# Altium PCB LoggerBoard.PcbDoc (continued)
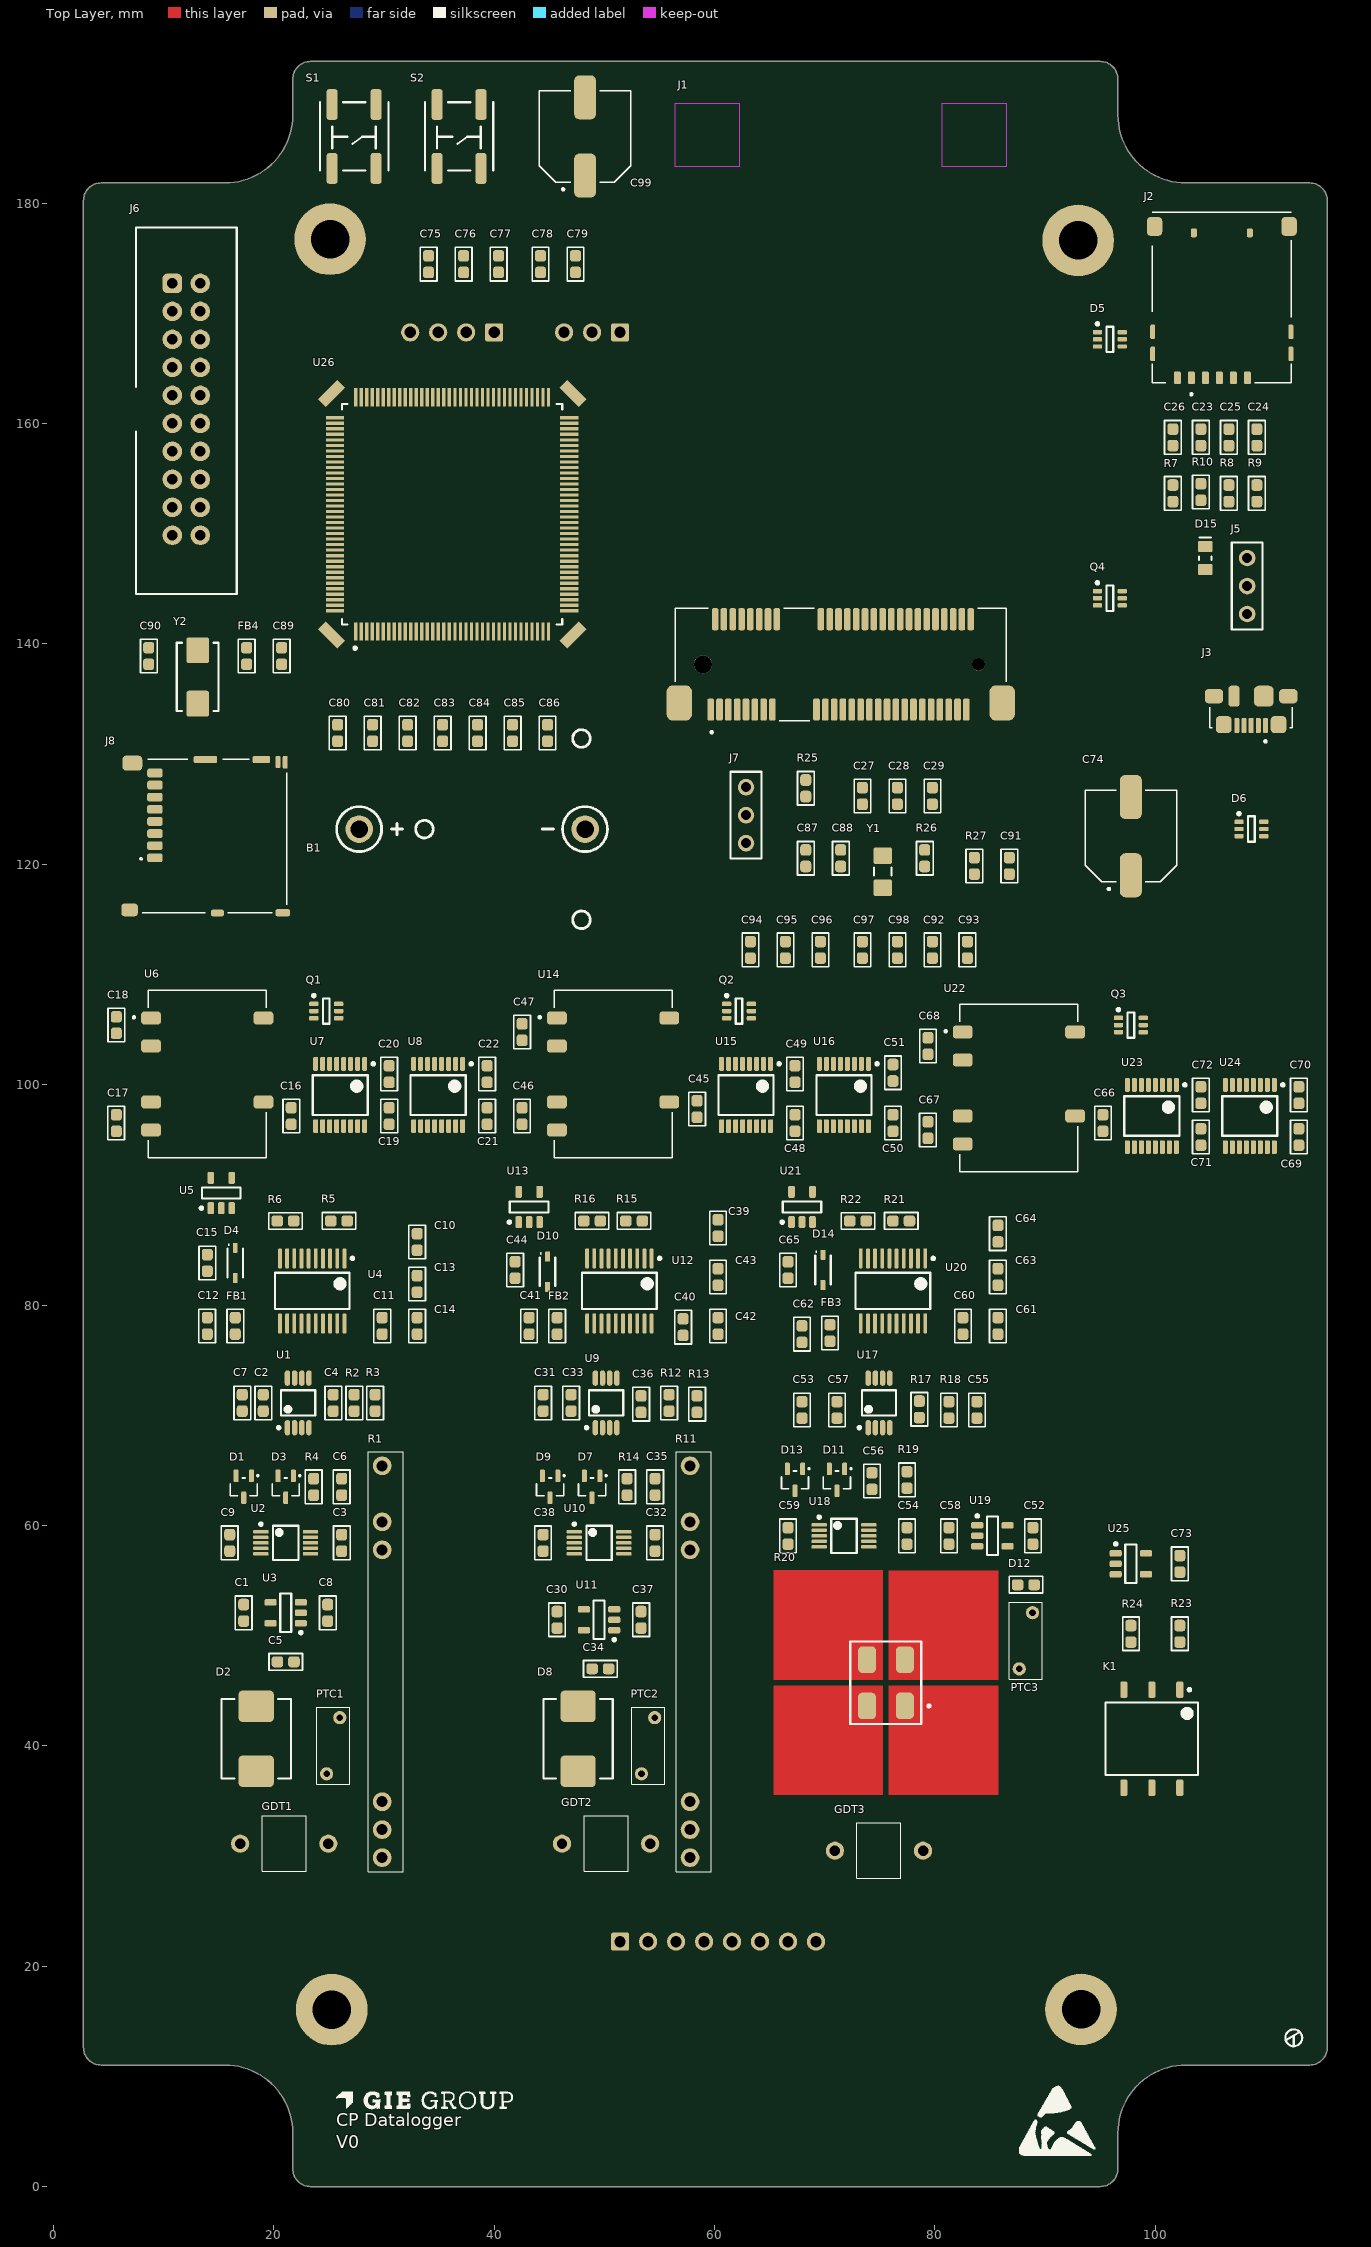
[diagram p0: Top Layer view]
## Components (designator, comment, footprint, x,y, rotation, side; value= is the part's Value field where it differs from the comment) (continued)
U8 "ISO7762FDBQ" SSOP16 34.925,99.06 r270 top
U9 "ADA4051-2ARMZ" MSOP8 50.165,71.12 r90 top
U10 "AD8253ARMZ" MSOP10 49.53,58.42 r0 top
U11 "AD8638ARJZ" SOT23-5 49.53,51.435 r180 top
U12 "ADS1259BIPW" TSSOP20 51.372,81.28 r270 top
U13 "NCP716BCSN500T1G" SOT23-5 43.18,88.9 r90 top
U14 "R1D-3.309/P" RECOM-R1D 50.8,100.965 r0 top
U15 "ISO7762FDBQ" SSOP16 62.865,99.06 r270 top
U16 "ISO7762FDBQ" SSOP16 71.755,99.06 r270 top
U17 "ADA4051-2ARMZ" MSOP8 74.93,71.12 r90 top
U18 "AD8253ARMZ" MSOP10 71.755,59.055 r0 top
U19 "AD8638ARJZ" SOT23-5 85.225,59.055 r0 top
U20 "ADS1259BIPW" TSSOP20 76.2,81.28 r270 top
U21 "NCP716BCSN500T1G" SOT23-5 67.945,88.9 r90 top
U22 "R1D-3.309/P" RECOM-R1D 87.63,99.695 r0 top
U23 "ISO7762FDBQ" SSOP16 99.695,97.155 r270 top
U24 "ISO7762FDBQ" SSOP16 108.585,97.155 r270 top
U25 "NC7SZ125M5X" SOT23-5 97.79,56.515 r0 top
U26 "STM32F429ZIT6" LQFP144 36.195,151.765 r0 top
Y1 "ABS07-32.768KHZ-7-T" XTAL-ABS07 75.27,119.281 r90 top value=32.768KHz
Y2 "ABM7-16.000MHZ-D-2-Y-T" XTAL-ABM7 13.1,137 r90 top value="8.000 MHz"

## Footprints (in the part's own frame and the unit in brackets; to place one, negate y for a bottom-side part, rotate by r counter-clockwise, add the part's x,y. Pads: shape width x height; smd on the part's side, far side on the other; paste and mask are expansions set on the pad)
"0805 - LED" [mm] "Chip Led 2-Leads, Body 2.0x1.3mm, IPC Medium Density"
  rrect25% 1x1.35 smd: 1(-1.05,0) 2(1.05,0)
  silkscreen extent -0.15,-0.58 1.85,0.58, body extent -1.01,-0.62 1.01,0.62, height 1.1
"CADDOCK - HVD5-B20M-050-05" [mm]
  round 1.7 hole 1: 1(-5.08,0) 2(-2.54,0) 3(0,0) 4(22.86,0) 5(25.4,0) 6(30.48,0)
  silkscreen extent -6.35,-1.91 31.75,1.27, body extent -6.25,-1.94 31.85,0.25, height 16.51
CAP-0603 [mm] "Chip Capacitor 0603"
  rrect50% 1.05x1 smd: 1(-0.75,0) 2(0.75,0)
  silkscreen extent -1.52,-0.76 1.52,0.75, body extent -0.88,-0.48 0.87,0.47, height 0.6
CAP_ALUM_SIZE_F [mm]
  rrect50% 4x2 smd: 1(-3.55,0) 2(3.55,0)
  silkscreen extent -4.9,-4.15 4.15,4.15, body extent -4.85,-4.15 4.85,4.15, height 10.2
DIODE-0603 [mm] "Chip Diode 0603"
  rrect50% 1.05x1 smd: 1(-0.75,0) 2(0.75,0)
  silkscreen extent -1.52,-0.76 1.52,0.75, body extent -1.23,-0.45 1.23,0.45, height 0.61
Holder-CR2032-103 [mm] "Battery Holder CR2032"
  round 2.5 hole 1.6: 1(15.42,0) 2(-5.08,0)
  silkscreen extent -7.11,-9.03 17.47,9.03, body extent -10.26,-11.43 17.38,11.57, height 8.8
IND-0603 [mm] "Chip Inductor 0603"
  rrect50% 1.05x1 smd: 1(-0.75,0) 2(0.75,0)
  silkscreen extent -1.52,-0.76 1.52,0.75, body extent -0.88,-0.48 0.87,0.47, height 0.6
KSC_J [mm]
  rrect50% 2.8x1 smd: 1(-2.9,2) 2(-2.9,-1.988) 3(2.9,-1.988) 4(2.9,2)
  silkscreen extent -3.1,-3.1 3.1,3.1, body extent -3.4,-3.15 3.4,3.15, height 3.21
LITTLELFUSE-72R020X [mm]
  round 1.2 hole 0.6: 1(-2.55,0.6) 2(2.55,-0.6)
  silkscreen extent -3.5,-1.5 3.5,1.5, body extent -3.95,-1.25 3.95,1.25, height 11.87
LITTLELFUSE-CG5XXXLTR [mm]
  round 1.651 hole 0.95: 1(-4,0) 2(4,0)
  silkscreen extent -2,-2.54 2,2.5, body extent -4.4,-2.54 4.4,2.46, height 5.5
LQFP144 [mm] "32-bit MCU ARM-based Cortex-M3 20 X 20mm, 0.5mm Pitch, 1.6mm Max thickness"
  rect 1x2.5 smd rot 45: 0(-10.96,-10.96) 0(10.96,10.96)
  rect 1x2.5 smd rot 135: 0(-10.96,10.96) 0(10.96,-10.96)
  rect 0.3x1.65 smd: 1(-8.75,-10.625) 2(-8.25,-10.625) 3(-7.75,-10.625) 4(-7.25,-10.625) 5(-6.75,-10.625) 6(-6.25,-10.625) 7(-5.75,-10.625) 8(-5.25,-10.625) 9(-4.75,-10.625) 10(-4.25,-10.625) 11(-3.75,-10.625) 12(-3.25,-10.625) 13(-2.75,-10.625) 14(-2.25,-10.625) 15(-1.75,-10.625) 16(-1.25,-10.625) 17(-0.75,-10.625) 18(-0.25,-10.625) 19(0.25,-10.625) 20(0.75,-10.625) 21(1.25,-10.625) 22(1.75,-10.625) 23(2.25,-10.625) 24(2.75,-10.625) 25(3.25,-10.625) 26(3.75,-10.625) 27(4.25,-10.625) 28(4.75,-10.625) 29(5.25,-10.625) 30(5.75,-10.625) 31(6.25,-10.625) 32(6.75,-10.625) 33(7.25,-10.625) 34(7.75,-10.625) 35(8.25,-10.625) 36(8.75,-10.625) 73(8.75,10.625) 74(8.25,10.625) 75(7.75,10.625) 76(7.25,10.625) 77(6.75,10.625) 78(6.25,10.625) 79(5.75,10.625) 80(5.25,10.625) 81(4.75,10.625) 82(4.25,10.625) 83(3.75,10.625) 84(3.25,10.625) 85(2.75,10.625) 86(2.25,10.625) 87(1.75,10.625) 88(1.25,10.625) 89(0.75,10.625) 90(0.25,10.625) 91(-0.25,10.625) 92(-0.75,10.625) 93(-1.25,10.625) 94(-1.75,10.625) 95(-2.25,10.625) 96(-2.75,10.625) 97(-3.25,10.625) 98(-3.75,10.625) 99(-4.25,10.625) 100(-4.75,10.625) 101(-5.25,10.625) 102(-5.75,10.625) 103(-6.25,10.625) 104(-6.75,10.625) 105(-7.25,10.625) 106(-7.75,10.625) 107(-8.25,10.625) 108(-8.75,10.625)
  rect 1.65x0.3 smd: 37(10.625,-8.75) 38(10.625,-8.25) 39(10.625,-7.75) 40(10.625,-7.25) 41(10.625,-6.75) 42(10.625,-6.25) 43(10.625,-5.75) 44(10.625,-5.25) 45(10.625,-4.75) 46(10.625,-4.25) 47(10.625,-3.75) 48(10.625,-3.25) 49(10.625,-2.75) 50(10.625,-2.25) 51(10.625,-1.75) 52(10.625,-1.25) 53(10.625,-0.75) 54(10.625,-0.25) 55(10.625,0.25) 56(10.625,0.75) 57(10.625,1.25) 58(10.625,1.75) 59(10.625,2.25) 60(10.625,2.75) 61(10.625,3.25) 62(10.625,3.75) 63(10.625,4.25) 64(10.625,4.75) 65(10.625,5.25) 66(10.625,5.75) 67(10.625,6.25) 68(10.625,6.75) 69(10.625,7.25) 70(10.625,7.75) 71(10.625,8.25) 72(10.625,8.75) 109(-10.625,8.75) 110(-10.625,8.25) 111(-10.625,7.75) 112(-10.625,7.25) 113(-10.625,6.75) 114(-10.625,6.25) 115(-10.625,5.75) 116(-10.625,5.25) 117(-10.625,4.75) 118(-10.625,4.25) 119(-10.625,3.75) 120(-10.625,3.25) 121(-10.625,2.75) 122(-10.625,2.25) 123(-10.625,1.75) 124(-10.625,1.25) 125(-10.625,0.75) 126(-10.625,0.25) 127(-10.625,-0.25) 128(-10.625,-0.75) 129(-10.625,-1.25) 130(-10.625,-1.75) 131(-10.625,-2.25) 132(-10.625,-2.75) 133(-10.625,-3.25) 134(-10.625,-3.75) 135(-10.625,-4.25) 136(-10.625,-4.75) 137(-10.625,-5.25) 138(-10.625,-5.75) 139(-10.625,-6.25) 140(-10.625,-6.75) 141(-10.625,-7.25) 142(-10.625,-7.75) 143(-10.625,-8.25) 144(-10.625,-8.75)
  silkscreen extent -10,-12.27 10,10, body extent -11,-11 11,11, height 2
MOLEX-473460001 [mm]
  rrect50% 0.45x1.38 smd: 1(-1.3,2.66) 2(-0.65,2.66) 3(0,2.66) 4(0.65,2.66) 5(1.3,2.66)
  rrect50% 1.425x1.55 smd: S1(-2.488,2.575) S2(2.488,2.575)
  rrect50% 1.65x1.3 smd: S3(-3.375,0) S6(3.375,0)
  rrect50% 1.8x1.9 smd: S4(-1.15,0)
  rrect50% 1x1.9 smd: S5(1.55,0)
  silkscreen extent -3.75,1 3.75,4.2, body extent -4.18,-2.48 4.18,2.95, height 2.7
MOLEX-679100002 [mm]
  rrect50% 0.6x2 smd: 1(-11.8,-4.1) 2(-11.4,4.1) 3(-11,-4.1) 4(-10.6,4.1) 5(-10.2,-4.1) 6(-9.8,4.1) 7(-9.4,-4.1) 8(-9,4.1) 9(-8.6,-4.1) 10(-8.2,4.1) 11(-7.8,-4.1) 12(-7.4,4.1) 13(-7,-4.1) 14(-6.6,4.1) 15(-6.2,-4.1) 16(-5.8,4.1) 17(-2.2,-4.1) 18(-1.8,4.1) 19(-1.4,-4.1) 20(-1,4.1) 21(-0.6,-4.1) 22(-0.2,4.1) 23(0.2,-4.1) 24(0.6,4.1) 25(1,-4.1) 26(1.4,4.1) 27(1.8,-4.1) 28(2.2,4.1) 29(2.6,-4.1) 30(3,4.1) 31(3.4,-4.1) 32(3.8,4.1) 33(4.2,-4.1) 34(4.6,4.1) 35(5,-4.1) 36(5.4,4.1) 37(5.8,-4.1) 38(6.2,4.1) 39(6.6,-4.1) 40(7,4.1) 41(7.4,-4.1) 42(7.8,4.1) 43(8.2,-4.1) 44(8.6,4.1) 45(9,-4.1) 46(9.4,4.1) 47(9.8,-4.1) 48(10.2,4.1) 49(10.6,-4.1) 50(11,4.1) 51(11.4,-4.1) 52(11.8,4.1)
  rrect50% 2.3x3.2 smd: S1(-14.65,-3.5) S2(14.65,-3.5)
  round 1.65 hole 1.65 unplated: ""(-12.5,0)
  round 1.15 hole 1.15 unplated: ""(12.5,0)
  Keep-Out Layer region: 15,45.15 9.2,45.15 9.2,50.95 15,50.95
  Keep-Out Layer region: -9.2,45.15 -15,45.15 -15,50.95 -9.2,50.95
  silkscreen extent -15,-6.26 15,5.1, body extent -14.93,-4.87 15.08,51.18, height 5.4
MOLEX-786463001 [mm]
  rrect50% 1.15x0.65 smd: C1(-7.295,2.755) C2(-7.295,0.215) C3(-7.295,-2.325) C5(-7.295,4.025) C6(-7.295,1.485) C7(-7.295,-1.055)
  rrect50% 1.3x0.45 smd: G1(-5.125,6.27) G2(-3.125,6.27) G3(-5.125,-6.27) G4(-3.125,-6.27)
  rrect50% 1.7x1.4 smd: G5(6.435,-6.105) G6(6.435,6.105)
  rrect50% 0.8x0.54 smd: X1(5.855,2.54) X2(5.855,-2.54)
  silkscreen extent -8.89,-6.32 7.73,6.32, body extent -7.83,-6.53 7.63,6.53, height 1.46
MSOP8 [mm]
  oval 1.4x0.5 smd: 1(-2.25,0.975) 2(-2.25,0.325) 3(-2.25,-0.325) 4(-2.25,-0.975) 5(2.25,-0.975) 6(2.25,-0.325) 7(2.25,0.325) 8(2.25,0.975)
  silkscreen extent -2.37,-1.55 1.15,1.9, body extent -2.45,-1.55 2.45,1.55, height 1.1
MSOP10 [mm]
  rrect50% 1.4x0.3 smd: 1(-2.25,1) 2(-2.25,0.5) 3(-2.25,0) 4(-2.25,-0.5) 5(-2.25,-1) 6(2.25,-1) 7(2.25,-0.5) 8(2.25,0) 9(2.25,0.5) 10(2.25,1)
  silkscreen extent -2.37,-1.55 1.15,1.82, body extent -2.45,-1.5 2.45,1.5, height 1.1
PIN3 [mm]
  round 1.5 hole 0.9: 1(0,0) 3(5.08,0)
  oval 1.51x1.5 hole 0.9: 2(2.54,0)
  silkscreen extent -1.4,-1.4 6.48,1.4, body extent -1.21,-1.46 6.41,1.46, height 8.51
RECOM-R1D [mm] "Isolated DC/DC-Converter Dual 1W"
  rrect50% 1.8x1.2 smd: 1(-5.1,5.08) 2(-5.1,2.54) 4(-5.1,-2.54) 5(-5.1,-5.08) 7(5.1,-2.54) 10(5.1,5.08)
  silkscreen extent -6.75,-7.62 5.35,7.62, body extent -5.55,-7.63 5.55,7.63, height 7.05
RES-0603 [mm] "Chip Resistor 0603"
  rrect50% 1.05x1 smd: 1(-0.75,0) 2(0.75,0)
  silkscreen extent -1.52,-0.76 1.52,0.75, body extent -0.82,-0.42 0.82,0.43, height 0.26
"RES-2512 WIDE" [mm]
  rrect50% 2.41x1.65 smd: E1(-2.095,1.715) E2(-2.095,-1.715) I1(2.095,1.715) I2(2.105,-1.722)
  Top Layer region: -10.2,0.25 -0.25,0.25 -0.25,10.2 -10.2,10.2
  Top Layer region: 10.185,10.202 0.235,10.202 0.235,0.252 10.185,0.252
  Top Layer region: 10.185,-0.248 0.235,-0.248 0.235,-10.198 10.185,-10.198
  Top Layer region: -10.215,-10.198 -0.265,-10.198 -0.265,-0.248 -10.215,-0.248
  silkscreen extent -3.75,-3.24 3.75,4.01, body extent -3.18,-2.03 3.18,2.03, height 0.95
"SMC - BIIDIR" [mm]
  rrect25% 2.85x3.2 smd: 1(-2.95,0) 2(2.95,0)
  silkscreen extent -3.6,-3.15 3.6,3.15, body extent -4,-3.1 4,3.1, height 2.5
SMD6 [mm]
  rrect50% 1.5x0.65 smd: 1(-4.45,2.54) 2(-4.45,0) 3(-4.45,-2.54) 4(4.45,-2.54) 5(4.45,0) 6(4.45,2.54)
  silkscreen extent -4.57,-4.2 3.3,4.2, body extent -3.2,-4.2 3.2,4.2, height 2.65
"SOD323 - DIODE UNIDIR" [mm] "Molded Diode, 2-Leads, Body 2.5x1.3mm, IPC Medium Density"
  rrect25% 0.9x0.45 smd: 1(-1.375,0) 2(1.375,0)
  silkscreen extent -1.3,-0.7 1.7,0.7, body extent -1.3,-0.67 1.3,0.67, height 1.1
SOT23-5 [mm] "SOT23, 5-Leads, Body 3.13x2.80mm, Pitch 0.95mm, IPC Medium Density"
  rrect50% 1.1x0.6 smd: 1(-1.375,0.95) 2(-1.375,0) 3(-1.375,-0.95) 4(1.375,-0.95) 5(1.375,0.95)
  silkscreen extent -1.5,-1.75 0.5,1.92, body extent -1.5,-1.75 1.5,1.75, height 1.45
SOT-323-3 [mil]
  rrect50% 18x45 smd paste+0 mask+0: 1(-27.5,-39) 2(27.5,-39) 3(0,39)
  silkscreen extent -53,-43 48,32, body extent 0,0 0,0
SSOP16 [mm]
  rrect50% 1.25x0.45 smd: 1(-2.825,2.222) 2(-2.825,1.587) 3(-2.825,0.952) 4(-2.825,0.317) 5(-2.825,-0.318) 6(-2.825,-0.953) 7(-2.825,-1.588) 8(-2.825,-2.223) 9(2.825,-2.222) 10(2.825,-1.587) 11(2.825,-0.952) 12(2.825,-0.317) 13(2.825,0.318) 14(2.825,0.953) 15(2.825,1.587) 16(2.825,2.222)
  silkscreen extent -2.95,-2.5 1.8,3.12, body extent -3,-3.09 3,3.09, height 1.63
TE-640455-3 [mm] "CONN HEADER RTANG 3POS .100 TIN"
  rrect25% 1.65x1.65 hole 1.02: 1(-5.08,0)
  round 1.65 hole 1.02: 2(-2.54,0) 3(0,0)
  silkscreen extent -6.35,1.27 1.27,10.67, body extent -6.35,-0.25 1.27,10.8, height 6.49
TE-640455-4 [mm] "CONN HEADER RTANG 4POS .100 TIN"
  rrect25% 1.65x1.65 hole 1.02: 1(-3.81,0)
  round 1.65 hole 1.02: 2(-1.27,0) 3(1.27,0) 4(3.81,0)
  silkscreen extent -5.08,1.27 5.08,10.67, body extent -5.08,-0.25 5.08,10.8, height 6.49
TE-640455-8 [mm] "CONN HEADER RTANG 8POS .100 TIN"
  rrect25% 1.65x1.65 hole 1.02: 1(0,0)
  round 1.65 hole 1.02: 2(2.54,0) 3(5.08,0) 4(7.62,0) 5(10.16,0) 6(12.7,0) 7(15.24,0) 8(17.78,0)
  silkscreen extent -1.27,1.27 19.05,10.67, body extent -1.27,-0.33 16.51,10.72, height 6.49
TE-2201778-1 [mm]
  rrect50% 0.8x1.4 smd: 1(1.965,-4.75) 2(0.865,-4.75) 3(-0.235,-4.75) 4(-1.335,-4.75) 5(-2.435,-4.75) 6(-3.535,-4.75) 7(-4.635,-4.75) 8(-5.735,-4.75)
  rrect50% 1.15x0.45 smd: 9(-6.7,7.075)
  rrect50% 1.1x0.45 smd: 10(-6.725,6.415)
  rrect50% 1.35x1.8 smd: 11(-6.625,-6.8)
  rrect50% 0.65x2.14 smd: 12(-6.95,-0.17)
  rrect50% 0.65x1.6 smd: 13(-6.95,4.91)
  rrect50% 0.65x1.3 smd: 14(6.95,6.85)
  rrect50% 0.6x1.15 smd: 15(6.975,0.925)
  rrect50% 1.16x1.5 smd: 16(6.695,-7.05)
  silkscreen extent -6.98,-6.11 6.98,7.2, body extent -7.11,-9.12 6.92,7.08, height 1.75
TE-5103308-5 [mil]
  rrect50% 70x70 hole 38: 1(450,50)
  round 70 hole 38: 2(450,-50) 3(350,50) 4(350,-50) 5(250,50) 6(250,-50) 7(150,50) 8(150,-50) 9(50,50) 10(50,-50) 11(-50,50) 12(-50,-50) 13(-150,50) 14(-150,-50) 15(-250,50) 16(-250,-50) 17(-350,50) 18(-350,-50) 19(-450,50) 20(-450,-50)
  silkscreen extent -660,-180 650,180, body extent -650,-184 650,170, height 350
TSSOP6 [mm]
  rrect50% 0.85x0.4 smd: 1(-1.125,0.65) 2(-1.125,0) 3(-1.125,-0.65) 4(1.125,-0.65) 5(1.125,0) 6(1.125,0.65)
  silkscreen extent -1.25,-1.15 0.3,1.52, body extent -1.2,-1.1 1.2,1.1, height 1.1
TSSOP20 [mm] "TSOP, 14-Leads, Body 5.1x4.5mm (max), Pitch 0.65mm, IPC Low Density"
  rrect50% 1.8x0.35 smd: 1(-2.95,2.925) 2(-2.95,2.275) 3(-2.95,1.625) 4(-2.95,0.975) 5(-2.95,0.325) 6(-2.95,-0.325) 7(-2.95,-0.975) 8(-2.95,-1.625) 9(-2.95,-2.275) 10(-2.95,-2.925) 11(2.95,-2.925) 12(2.95,-2.275) 13(2.95,-1.625) 14(2.95,-0.975) 15(2.95,-0.325) 16(2.95,0.325) 17(2.95,0.975) 18(2.95,1.625) 19(2.95,2.275) 20(2.95,2.925)
  silkscreen extent -3.07,-3.39 1.65,3.78, body extent -3.15,-3.35 3.13,3.15, height 1.09
XTAL-ABM7 [mm] "2-Leads, Body 6.0x3.5mm, IPC Medium Density"
  rrect20% 2.35x2.05 smd: 1(-2.425,0) 2(2.425,0)
  silkscreen extent -3.1,-1.9 3.1,1.9, body extent -3.1,-1.85 3.1,1.85, height 1.44
XTAL-ABS07 [mm] "Chip Inductor, 2-Leads, Body 3,2x1,5mm, IPC Low Density"
  rrect25% 1.5x1.7 smd: 1(-1.4,0) 2(1.5,0)
  silkscreen extent -0.3,-0.8 0.4,0.8, body extent -1.61,-0.76 1.61,0.76, height 0.92

## Part data
B1: library part "Holder 101", "HOLDER BATTERY COIN 20MM TH", Manufacturer=Keystone, Supplier Part Number 1=36-101-ND, Batery="CR2032 3.0V", PartNumber=101, Supplier 1=Digi-Key, Supplier 2=Mouser, Supplier Part Number 2=534-101
C1 C2 C3 C8 C9 C27 C30 C31 C32 C37 C38 C52 C53 C54 C58 C59 C73 C75 C76 C77 C78 C79 C80 C81 C82 C83 C84 C85 C86 C91 C96 C98: "CAP CER 0.1uF 50V X7R 0603", Manufacturer=Kemet, Supplier Part Number 1=399-6856-1-ND, Tolerance=10%, Voltage=50, PartNumber=C0603C104K5RACAUTO, Supplier 1=Digi-Key, Supplier 2=Mouser, Supplier Part Number 2=80-C0603C104K5RAUTO
C4 C6 C33 C35 C55 C56: "CAP CER 1600´pF 50V C0G 0603", Manufacturer=Kemet, Supplier Part Number 1=399-15368-1-ND, Tolerance=5%, Voltage=50, PartNumber=C0603C162J5GAC7867, Supplier 1=Digi-Key, Supplier 2=Mouser, Supplier Part Number 2=80-C0603C162J5G
C5 C34: library part C0603C751J5GAC7867, "CAP CER 750´pF 50V C0G 0603", Manufacturer=Kemet, Supplier Part Number 1=399-C0603C751J5GAC7867CT-ND, Tolerance=5%, Voltage=50V, PartNumber=C0603C161J1GAC7867, Supplier 1=Digi-Key, Supplier 2=Mouser, Supplier Part Number 2=80-C0603C751J5G
C7 C36 C57: "CAP CER 160 pF 100V C0G 0603", Manufacturer=Kemet, Supplier Part Number 1=399-15367-1-ND, Tolerance=5%, Voltage=100V, PartNumber=C0603C161J1GAC7867, Supplier 1=Digi-Key
C10 C11 C12 C13 C14 C15 C16 C17 C18 C19 C20 C21 C22 C39 C40 C41 C42 C43 C44 C45 C46 C47 C48 C49 C50 C51 C60 C61 C62 C63 C64 C65 C66 C67 C68 C69 C70 C71 C72 C94 C95 C97: "CAP CER 1uF 25V X7R 0603", Manufacturer=Kemet, Supplier Part Number 1=399-C0603C105M3RAC7867CT-ND, Tolerance=20%, Voltage=25, PartNumber=C0603C105M3RAC7867, Supplier 1=Digi-Key, Supplier 2=Mouser, Supplier Part Number 2=80-C0603C105M3R
C23 C24 C25 C26 C28: "CAP CER 33 pF 25V C0G 0603", Manufacturer=Kemet, Tolerance=1%, Voltage=25V, PartNumber=C0603C330F3GAC7867
C29 C89 C90: "CAP CER 10 pF 25V C0G 0603", Manufacturer=Kemet, Tolerance=10%, Voltage=25V, PartNumber=C0603C100K3GAC7867
C74 C99: "CAP ALUM 470UF 20% 6.3V SMD", Manufacturer=Panasonic, Voltage=6.3V, Part}Number=EEE-FK0J471P
C87 C88: "CAP CER 6.7 pF 50V C0G 0603", Manufacturer=Kemet, Supplier Part Number 1=399-C0805C155K4RAC7800CT-ND, Tolerance=+/-0.1pF, Voltage=50V, PartNumber=CBR06C679B5GAC, Supplier 1=Digi-Key, Supplier 2=Mouser, Supplier Part Number 2=80-C0805C155K4R
C92 C93: "CAP CER 2.2uF 6.3V X5R 0603", Manufacturer=Kemet, Tolerance=20%, Voltage=6.3, PartNumber=C0603C225M9PAC7867
D1 D3 D7 D9 D11 D13: "Schottky Diode 30V 200mA SOT323", Manufacturer=OnSemiconductor, Supplier Part Number 1=NSVBAT54WT1GOSDKR-ND, IF(avg)=0.2A, PartNumber=NSVBAT54WT1G, Supplier 1=Digi-Key, Supplier 2=Mouser, Supplier Part Number 2=863-NSVBAT54WT1G, VR(rms)=30V
D2 D8: "TVS Diode 1.5kW 130V 5% Bi-Directional", Manufacturer=Littelfuse, Power=1500W, Supplier Part Number 1=1.5SMC130CACT-ND, Voltage=130V, PartNumber=1.5SMC130CA, Supplier 1=Digi-Key, Supplier 2=Mouser, Supplier Part Number 2=576-1.5SMC130CA
D4 D10 D14: "Schottky Diode 30V 200mA SOT323", Manufacturer=OnSemiconductor, Power=300mW, PartNumber=MM3Z5V6T1G, Vz=5.6V
D5 D6: "TVS DIODE 3.3VWM 10VC 4CH SC74", Manufacturer=OnSemiconductor, PartNumber=CM1213A-04SO
D12: "TVS Diode 1.5kW 130V 5% Bi-Directional", Manufacturer="Diodes Inc", Power=96W, Voltage=3.8V, PartNumber=D3V3L1B2LP3-7
D15: "LED RED CLEAR 0805 SMD", Color=Red, Manufacturer="Lite-On Inc", Supplier Part Number 1=160-1415-6-ND, PartNumber=LTST-C170KRKT, Supplier 1=Digi-Key, Supplier 2=Mouser, Supplier Part Number 2=859-LTST-C170KRKT
FB1 FB2 FB3 FB4: "Ferrite Bead 120Ohms 900mA 25% DCR=130m", Manufacturer=Kemet, Supplier Part Number 1=399-Z0603C121GPWZTCT-ND, PartNumber=Z0603C121GPWZT, Supplier 1=Digi-Key, Supplier 2=Mouser, Supplier Part Number 2=80-Z0603C121GPWZT
GDT1 GDT2 GDT3: "Gas Discharge Tube 145V", Manufacturer=Littelfuse, Supplier Part Number 1=CG5145LTR-ND, Voltage=145V, PartNumber=CG5145LTR, Supplier 1=Digi-Key, Supplier 2=Mouser, Supplier Part Number 2=576-CG5145LTR
J1: library part "Molex 0679100002", "Connector Mini PCI Express 52POS - Quectel modem", Manufacturer=Molex, Supplier Part Number 1=WM3470CT-ND, PartNumber=0679100002, Supplier 1=Digi-Key, Supplier 2=Mouser, Supplier Part Number 2=538-67910-0002
J2: "6 Position Card Connector Micro SIM Surface Mount, Right Angle Gold", Manufacturer=Molex, Supplier Part Number 1=WM9364CT-ND, PartNumber=786463001, Supplier 1=Digi-Key, Supplier 2=Mouser, Supplier Part Number 2=538-78646-3001
J3: "USB Connectors MICRO USB B RECPT BTTM MOUNT ASSY", Manufacturer=Molex, PartNumber=473460001
J4: "CONN HEADER RTANG 8POS .100 TIN", Manufacturer="TE Connectivity", Mating Conn=1375820-8, PartNumber=640455-8
J5 J7: "CONN HEADER .100\" SNGL STR 3POS", Manufacturer="Sullins Connector Solutions", Supplier Part Number 1=S1011EC-03-ND, PartNumber=PRPC003SAAN-RC, Supplier 1=Digi-Key
J6: "CONN HEADER VERT 20POS 2.54MM", Manufacturer="TE Connectivity", PartNumber=5103308-5
J8: "Conn Memory Card RCP 8 POS 1.1mm Solder RA SMD 0.5A/Contact T/R", Manufacturer="TE Connectivity", PartNumber=2201778-1
J9: "CONN HEADER RTANG 4POS .100 TIN", Manufacturer="TE Connectivity", Supplier Part Number 1=A19452-ND, Mating Conn=1375820-4, PartNumber=640455-4, Supplier 1=Digi-Key, Supplier 2=Mouser, Supplier Part Number 2=571-6404554
J10: "CONN HEADER RTANG 3POS .100 TIN", Manufacturer="TE Connectivity", Supplier Part Number 1=A19451-ND, Mating Conn=1375820-3, PartNumber=640455-3, Supplier 1=Digi-Key, Supplier 2=Mouser, Supplier Part Number 2=571-6404553
K1: "SSR RELAY SPST-NC 500MA 0-60V", Current=0.5A, Manufacturer=Ixys, Voltage=60V, PartNumber=LCB716S, Ron="0.5 Ohm"
PTC1 PTC2 PTC3: "PTC Polyfuse Radial 72V 0.2A", Manufacturer=Littlelfuse, Supplier Part Number 1=72R020XPRCT-ND, Voltage=72V, Ihold=0.2A, Itrip=0.4A, PartNumber=72R020XPR, Supplier 1=Digi-Key, Supplier 2=Mouser, Supplier Part Number 2=576-72R020XPR
Q1 Q2 Q3 Q4: Manufacturer=Microchip, PartNumber=MIC94092YC6-TR
R1 R11: "20M ohm 0.05% 5ppm Voltage Divider", Manufacturer=Caddock, Supplier Part Number 1=HVD5-B20M-050-05-ND, Tolerance=0.05%, PartNumber=HVD5-B20M-050-05, Ratio=100:1, Supplier 1=Digi-Key, Supplier 2=Mouser, Supplier Part Number 2=684-HVD5-B20M, Thermal=5ppm/°C, Zin=20M
R2 R12 R17: "RES SMD 113K OHM 1% 1/10W 0603", Manufacturer=Yageo, Power=0.1W, Supplier Part Number 1=311-113KHRCT-ND, Tolerance=1%, PartNumber=RC0603FR-07113KL, Supplier 1=Digi-Key, Supplier 2=Mouser, Supplier Part Number 2=603-RC0603FR-07113KL
R3 R13 R18: "RES SMD 887K OHM 1% 1/10W 0603", Manufacturer=Yageo, Power=0.1W, Supplier Part Number 1=311-887KHRCT-ND, Tolerance=1%, PartNumber=RC0603FR-07887KL, Supplier 1=Digi-Key, Supplier 2=Mouser, Supplier Part Number 2=603-RC0603FR-07887KL
R4 R14 R19 R24 R26: "RES SMD 100K OHM 1% 1/10W 0603", Manufacturer=Yageo, Power=0.1W, Supplier Part Number 1=311-100KHRCT-ND, Tolerance=1%, PartNumber=RC0603FR-07100KL, Supplier 1=Digi-Key, Supplier 2=Mouser, Supplier Part Number 2=603-RC0603FR-07100KL
R5 R6 R15 R16 R21 R22: "RES SMD 1M OHM 1% 1/10W 0603", Manufacturer=Yageo, Power=0.1W, Supplier Part Number 1=311-887KHRCT-ND, Tolerance=1%, PartNumber=RC0603FR-071ML, Supplier 1=Digi-Key, Supplier 2=Mouser, Supplier Part Number 2=603-RC0603FR-07887KL
R7: "RES SMD 15.0K OHM 1% 1/10W 0603", Manufacturer=Yageo, Power=0.1W, Tolerance=1%, PartNumber=RC0603FR-0715KL
R8 R9 R10: "RES SMD 22 OHM 1% 1/10W 0603", Manufacturer=Yageo, Power=0.1W, Tolerance=1%, PartNumber=RC0603FR-0722RL
R20: "RES SMD 1 OHM 1W 2516 WIDE", Manufacturer=Vishay, Power=1W, Tolerance=0.1%, PartNumber=Y16061R00000B9W
R23: "RES SMD 453 OHM 1% 1/10W 0603", Manufacturer=Yageo, Power=0.1W, Supplier Part Number 1=311-887KHRCT-ND, Tolerance=1%, PartNumber=RC0603FR-07453RL, Supplier 1=Digi-Key, Supplier 2=Mouser, Supplier Part Number 2=603-RC0603FR-07887KL
R25: library part RC0805FR-07105RL, "RES SMD 105 OHM 1% 1/8W 0805", Manufacturer=Yageo, Power=0.125W, Supplier Part Number 1=311-100KCRCT-ND, Tolerance=1%, PartNumber=RC0805FR-07100KL, Supplier 1=Digi-Key, Supplier 2=Mouser, Supplier Part Number 2=603-RC0805FR-07100KL
R27: "RES SMD 10.0K OHM 1% 1/10W 0603", Manufacturer=Yageo, Power=0.1W, Supplier Part Number 1=311-100KCRCT-ND, Tolerance=1%, PartNumber=RC0603FR-0710KL, Supplier 1=Digi-Key, Supplier 2=Mouser, Supplier Part Number 2=603-RC0805FR-07100KL
S1 S2: "SWITCH TACTILE SPST-NO 0.01A 32V", Manufacturer=C&K, Supplier Part Number 1=CKN12117CT-ND, Part Number=KSC223JLFG, Supplier 1=Digi-Key, Supplier 2=Mouser, Supplier Part Number 2=611-KSC223JLFG
U1 U9 U17: "Dual  Precision Amplifier Micro Power Auto Zero", Manufacturer="Analog Devices", Supplier Part Number 1=505-ADA4051-2ARMZ-ND, PartNumber=ADA4051-2ARMZ, Supplier 1=Digi-Key, Supplier 2=Mouser, Supplier Part Number 2=584-ADA4051-2ARMZ
U2 U10 U18: "Instrumentation Amplifiers High Speed Programmable High Gain In-Amp", Manufacturer="Analog Devices Inc", Supplier Part Number 1=505-AD8253ARMZ-R7DKR-ND, PartNumber=AD8253ARMZ, Supplier 1=Digi-Key, Supplier 2=Mouser, Supplier Part Number 2=584-AD8253ARMZ-R7
U3 U11 U19: "16V Auto-Zero CMOS Amplifier", Manufacturer="Analog Devices", Supplier Part Number 1=505-AD8638ARJZ-REEL7DKR-ND, PartNumber=AD8638ARJZ, Supplier 1=Digi-Key, Supplier 2=Mouser, Supplier Part Number 2=584-AD8638ARJZ-R7
U4 U12 U20: "Analog to Digital Converter 14.4kSPS 24-Bit", Manufacturer="Texas Instruments", Supplier Part Number 1=296-27183-5-ND, PartNumber=ADS1259BIPW, Supplier 1=Digi-Key, Supplier 2=Mouser, Supplier Part Number 2=595-ADS1259BIPW
U5 U13 U21: "IC REG LDO 0.5V 0.15A TSOT23-5", Current=0.15A, Manufacturer="ON Semiconductor", Voltage=5.0V, PartNumber=NCP716BCSN500T1G
U6 U14 U22: "DC DC CONVERTER +/-9V 1W", Current=+/-55mA, Manufacturer=Recom, Supplier Part Number 1=R1D-3.309/P-ND, Part Number=R1D-3.309/P, Supplier 1=Digi-Key, Supplier 2=Mouser, Supplier Part Number 2=919-R1D-3.309P, Vin="3 - 3.6V", Vout="+/- 9V"
U7 U8 U15 U16 U23 U24: "Digital Isolator, six-channel, 4/2, 16-SSOP", Manufacturer="Texas Instruments", Supplier Part Number 1=296-49452-6-ND, PartNumber=ISO7762FDBQ, Supplier 1=Digi-Key, Supplier 2=Mouser, Supplier Part Number 2=595-ISO7762FDBQR
U25: "IC BUFF TRI-ST UHS N-INV SOT23-5", Manufacturer="Fairchild Semiconductor", Supplier Part Number 1=NC7SZ125M5CT-ND, PartNumber=NC7SZ125M5X, Supplier 1=Digi-Key, Supplier 2=Mouser, Supplier Part Number 2=512-NC7SZ125M5X
U26: "IC MCU 32BIT 2MB FLASH 144LQFP", Manufacturer=STMicroelectronics, PartNumber=STM32F429ZIT6
Y1: "CRYSTAL 32.768KHZ 7PF SMD", Manufacturer=Abracon, Supplier Part Number 1=535-9543-1-ND, PartNumber=ABS07-32.768KHZ-7-T, Supplier 1=Digi-Key, Supplier 2=Mouser, Supplier Part Number 2=815-ABS07-32.768K7T
Y2: library part ABM7-8.000MHZ-D2Y-T, "CRYSTAL 8.0000 MHZ 18PF SMD", Manufacturer=Abracon, PartNumber=ABM7-16.000MHZ-D-2-Y-T

## Free pads (board coordinates)
  round 6.5 hole 3.5: S1(25.267,16.051) S2(93.27,16.074) S3(93.012,176.623) S4(25.117,176.728)

## Nets (pads, with @x,y where several pads share a name; then routed paths per layer and width w, separated by ;. In a path a pad name is that pad's centre, name@x,y a point inside that pad or via, vN(x,y) a via of type N, cw(c..) or ccw(c..) an arc to the next point about the centre after c; other vN are vias at no path point)
3.3V: C73.1 C75.2 C76.2 C77.2 C78.2 C79.2 C80.2 C81.2 C82.2 C83.2 C84.2 C85.2 C86.2 C94.2 C99.1 FB4.2 J6.1 J6.2 J7.3 J8.4 J10.1 S1.1 S1.4 U25.5 U26.17 U26.30 U26.39 U26.52 U26.62 U26.72 U26.84 U26.95 U26.108 U26.121 U26.131 U26.143 U26.144
3.3VA: C95.2 C96.2 C97.2 C98.2 FB4.1 U26.32 U26.33
3.3VM: C27.2 C28.2 C29.2 D6.5 J1.2 J1.39 J1.41 J1.52 R25.2
+3.3V: C20.2 C22.2 C49.2 C51.2 C70.2 C72.2 Q1.4 Q2.4 Q3.4 Q4.4 U7.1 U8.1 U8.5 U15.1 U16.1 U16.5 U23.1 U24.1 U24.5
+3.3VM: C74.1 Q4.1
+5V1: C13.2 C15.2 C19.2 C21.2 D4.2 FB1.2 U4.15 U5.3 U7.10 U7.16 U8.10 U8.16
+5V2: C42.2 C44.2 C48.2 C50.2 D10.2 FB2.2 U12.15 U13.3 U15.10 U15.16 U16.10 U16.16
+5V3: C63.2 C65.2 C69.2 C71.2 D14.2 FB3.2 U20.15 U21.3 U23.10 U23.16 U24.10 U24.16
+5VA1: C2.2 C12.2 D1.3 FB1.1 U1.8 U4.20
+5VA2: C31.2 C41.2 D7.3 FB2.1 U9.8 U12.20
+5VA3: C53.2 C62.2 D11.3 FB3.1 U17.8 U20.20
+9V1: C1.2 C3.2 C16.2 U2.8 U3.5 U5.2 U6.7
+9V2: C30.2 C32.2 C45.2 U10.8 U11.5 U13.2 U14.7
+9V3: C52.2 C54.2 C66.2 U18.8 U19.5 U21.2 U22.7
-9V1: C8.2 C9.2 C17.2 U2.3 U2.6 U3.2 U6.5
-9V2: C37.2 C38.2 C46.2 U10.3 U10.6 U11.2 U14.5
-9V3: C58.2 C59.2 C67.2 U18.3 U18.6 U19.2 U22.5
BOOT0: R27.2 S1.2 S1.3 U26.138
BOOT1: J7.2 R26.2
CH1-A0: U7.5 U26.13
CH1-A1: U7.4 U26.12
CH1-DRDY: U7.6 U26.14
CH1-EN: Q1.6 U26.15
CH1-Ref: C11.2 U2.9 U4.16
CH1-RST: U7.3 U26.11
CH1-SPI.CS: U8.4 U26.40
CH1-SPI.MISO: U8.6 U26.42
CH1-SPI.MOSI: U8.2 U26.43
CH1-SPI.SCLK: U8.3 U26.41
CH1-START: U7.2 U26.10
CH1-Va: C4.1 U1.6 U1.7 U4.1
CH2-A0: U15.5 U26.22
CH2-A1: U15.4 U26.21
CH2-DRDY: U15.6 U26.49
CH2-EN: Q2.6 U26.50
CH2-Ref: C40.2 U10.9 U12.16
CH2-RST: U15.3 U26.20
CH2-SPI.CS: U16.4 U26.140
CH2-SPI.MISO: U16.6 U26.75
CH2-SPI.MOSI: U16.2 U26.76
CH2-SPI.SCLK: U16.3 U26.74
CH2-START: U15.2 U26.19
CH2-Va: C33.1 U9.6 U9.7 U12.1
CH3-A0: U23.5 U26.88
CH3-A1: U23.4 U26.87
CH3-DRDY: U23.6 U26.89
CH3-EN: Q3.6 U26.90
CH3-Ref: C61.2 U18.9 U20.16
CH3-RST: U23.3 U26.57
CH3-SPI.CS: U24.4 U26.64
CH3-SPI.MISO: U24.6 U26.66
CH3-SPI.MOSI: U24.2 U26.67
CH3-SPI.SCLK: U24.3 U26.65
CH3-START: U23.2 U26.56
CH3-Va: C55.1 U17.6 U17.7 U20.1
GND: B1.2 C18.1 C20.1 C22.1 C23.1 C24.1 C25.1 C26.1 C27.1 C28.1 C29.1 C47.1 C49.1 C51.1 C68.1 C70.1 C72.1 C73.2 C74.2 C75.1 C76.1 C77.1 C78.1 C79.1 C80.1 C81.1 C82.1 C83.1 C84.1 C85.1 C86.1 C87.1 C88.1 C89.1 C90.1 C91.1 C92.1 C93.1 C94.1 C95.1 C96.1 C97.1 C98.1 C99.2 D5.2 D6.2 J1.4 J1.9 J1.15 J1.18 J1.21 J1.26 J1.27 J1.29 J1.34 J1.35 J1.37 J1.40 J1.43 J1.50 J1.S1 J1.S2 J2.C5 J2.G1 J2.G2 J2.G3 J2.G4 J2.G5 J2.G6 J3.5 J3.S1 J3.S2 J3.S3 J3.S4 J3.S5 J3.S6 J6.4 J6.6 J6.8 J6.10 J6.12 J6.14 J6.16 J6.18 J6.20 J7.1 J8.6 J8.10 J8.11 J8.12 J8.13 J8.14 J8.15 J8.16 J9.4 J10.3 K1.2 Q1.2 Q1.5 Q2.2 Q2.5 Q3.2 Q3.5 Q4.2 Q4.5 R24.1 R27.1 S2.2 S2.3 U6.2 U7.8 U8.8 U14.2 U15.8 U16.8 U22.2 U23.8 U24.8 U25.1 U25.3 U26.16 U26.31 U26.38 U26.51 U26.61 U26.83 U26.94 U26.107 U26.120 U26.130
GND1: C1.1 C2.1 C3.1 C5.1 C6.1 C7.1 C8.1 C9.1 C11.1 C12.1 C13.1 C14.1 C15.1 C16.1 C17.1 C19.1 C21.1 D2.2 D3.1 D4.1 GDT1.2 J4.2 R1.6 R5.1 R6.1 R15.1 U1.4 U2.1 U2.2 U4.2 U4.11 U4.14 U4.19 U5.1 U6.4 U7.9 U8.9
GND2: C30.1 C31.1 C32.1 C34.1 C35.1 C36.1 C37.1 C38.1 C40.1 C41.1 C42.1 C43.1 C44.1 C45.1 C46.1 C48.1 C50.1 D8.2 D9.1 D10.1 GDT2.2 J4.4 R11.6 R16.1 U9.4 U10.1 U10.2 U12.2 U12.11 U12.14 U12.19 U13.1 U14.4 U15.9 U16.9
GND3: C52.1 C53.1 C54.1 C56.1 C57.1 C58.1 C59.1 C61.1 C62.1 C63.1 C64.1 C65.1 C66.1 C67.1 C69.1 C71.1 D12.2 D13.1 D14.1 GDT3.2 J4.6 R20.E2 R20.I2 R21.1 R22.1 U17.4 U18.1 U18.2 U20.2 U20.11 U20.14 U20.19 U21.1 U22.4 U23.9 U24.9
JTCK/SWCLK: J6.9 U26.109
JTDI: J6.5 U26.110
JTDO/TRACESWO: J6.13 U26.133
JTMS/SWDIO: J6.7 U26.105
LED_WWAN#: J1.42 J5.1
MDM-DISABLE: J1.20 U26.81
MDM-PERST: J1.22 U26.82
MDM-PWR-EN: Q4.6 U26.85
MDM-UART.CTS: J1.25 U26.117
MDM-UART.DTR: J1.31 U26.77
MDM-UART.RI: J1.17 U26.123
MDM-UART.RTS: J1.23 U26.118
MDM-UART.RX: J1.13 U26.122
MDM-UART.TX: J1.11 U26.119
MDM-WAKE: J1.1 U26.80
MICRO-SD.CLK: J8.5 U26.113
MICRO-SD.CMD: J8.3 U26.116
MICRO-SD.DAT0: J8.7 U26.98
MICRO-SD.DAT1: J8.8 U26.99
MICRO-SD.DAT2: J8.1 U26.111
MICRO-SD.DAT3: J8.2 U26.112
MICRO-SD.SW: J8.9 U26.114
NetB1_1: B1.1 U26.6
NetC4_2: C4.2 R2.2 R3.1
NetC5_2: C5.2 R1.4 R1.5 U3.3
NetC6_2: C6.2 D1.1 D3.3 R4.2 U1.3
NetC7_2: C7.2 R3.2 U1.5
NetC10_1: C10.1 U4.17
NetC10_2: C10.2 U4.18
NetC14_2: C14.2 U4.13
NetC18_2: C18.2 Q1.1 U6.1
NetC23_2: C23.2 D5.1 J2.C2 R10.2
NetC24_2: C24.2 D5.3 J2.C3 R9.2
NetC25_2: C25.2 D5.4 J2.C7 R7.2 R8.2
NetC33_2: C33.2 R12.2 R13.1
NetC34_2: C34.2 R11.4 R11.5 U11.3
NetC35_2: C35.2 D7.1 D9.3 R14.2 U9.3
NetC36_2: C36.2 R13.2 U9.5
NetC39_1: C39.1 U12.17
NetC39_2: C39.2 U12.18
NetC43_2: C43.2 U12.13
NetC47_2: C47.2 Q2.1 U14.1
NetC55_2: C55.2 R17.2 R18.1
NetC56_2: C56.2 D11.1 D13.3 R19.2 U17.3
NetC57_2: C57.2 R18.2 U17.5
NetC60_1: C60.1 U20.17
NetC60_2: C60.2 U20.18
NetC64_2: C64.2 U20.13
NetC68_2: C68.2 Q3.1 U22.1
NetC87_2: C87.2 U26.9 Y1.2
NetC88_2: C88.2 Y1.1
NetC89_2: C89.2 U26.23 Y2.2
NetC90_2: C90.2 U26.24 Y2.1
NetC92_2: C92.2 U26.106
NetC93_2: C93.2 U26.71
NetD2_1: D2.1 PTC1.2 R1.1 R1.2 R1.3
NetD8_1: D8.1 PTC2.2 R11.1 R11.2 R11.3
NetD12_1: D12.1 PTC3.2 U19.3
NetD15_1: D15.1 R25.1
NetD15_2: D15.2 J5.2
NetGDT1_1: GDT1.1 J4.1 PTC1.1
NetGDT2_1: GDT2.1 J4.3 PTC2.1
NetGDT3_1: GDT3.1 J4.5 R20.I1
NetJ4_7: J4.7 K1.4
NetJ4_8: J4.8 K1.6
NetJ10_2: J10.2 U26.34
NetK1_1: K1.1 R23.1
NetPTC3_1: PTC3.1 R20.E1
NetR2_1: R2.1 U1.1 U1.2
NetR4_1: R4.1 U2.7
NetR5_2: R5.2 U4.5
NetR6_2: R6.2 U4.9 U8.11
NetR12_1: R12.1 U9.1 U9.2
NetR14_1: R14.1 U10.7
NetR15_2: R15.2 U12.5
NetR16_2: R16.2 U12.9 U16.11
NetR17_1: R17.1 U17.1 U17.2
NetR19_1: R19.1 U18.7
NetR21_2: R21.2 U20.5
NetR22_2: R22.2 U20.9 U24.11
NetR23_2: R23.2 U25.4
NetR26_1: R26.1 U26.48
NetU2_4: U2.4 U7.12
NetU2_5: U2.5 U7.13
NetU2_10: U2.10 U3.1 U3.4
NetU4_3: U4.3 U7.14
NetU4_4: U4.4 U7.15
NetU4_6: U4.6 U8.13
NetU4_7: U4.7 U8.14
NetU4_8: U4.8 U8.15
NetU4_10: U4.10 U7.11
NetU10_4: U10.4 U15.12
NetU10_5: U10.5 U15.13
NetU10_10: U10.10 U11.1 U11.4
NetU12_3: U12.3 U15.14
NetU12_4: U12.4 U15.15
NetU12_6: U12.6 U16.13
NetU12_7: U12.7 U16.14
NetU12_8: U12.8 U16.15
NetU12_10: U12.10 U15.11
NetU18_4: U18.4 U23.12
NetU18_5: U18.5 U23.13
NetU18_10: U18.10 U19.1 U19.4
NetU20_3: U20.3 U23.14
NetU20_4: U20.4 U23.15
NetU20_6: U20.6 U24.13
NetU20_7: U20.7 U24.14
NetU20_8: U20.8 U24.15
NetU20_10: U20.10 U23.11
NJTRST: J6.3 U26.134
RST: C91.2 J6.15 S2.1 S2.4 U26.25
S-DISABLE: R24.2 U25.2 U26.92
USB.D+: J9.2 U26.103
USB.D-: J9.3 U26.104
USB.VBUS: J9.1 U26.101
USB_DM: D6.1 J1.36 J3.3
USB_DP: D6.3 J1.38 J3.2
USIM_CLK: J1.12 R9.1
USIM_DATA: J1.10 R8.1
USIM_RST: J1.14 R10.1
USIM_VDD: C26.2 D5.5 J1.8 J2.C1 R7.1
pads on no net: D1.2 D3.2 D5.6 D6.4 D6.6 D7.2 D9.2 D11.2 D13.2 J1. J1.3 J1.5 J1.6 J1.7 J1.16 J1.19 J1.24 J1.28 J1.30 J1.32 J1.33 J1.44 J1.45 J1.46 J1.47 J1.48 J1.49 J1.51 J2.C6 J2.X1 J2.X2 J3.1 J3.4 J5.3 J6.11 J6.17 J6.19 K1.3 K1.5 Q1.3 Q2.3 Q3.3 Q4.3 U4.12 U5.4 U5.5 U6.10 U7.7 U8.7 U8.12 U12.12 U13.4 U13.5 U14.10 U15.7 U16.7 U16.12 U20.12 U21.4 U21.5 U22.10 U23.7 U24.7 U24.12 U26.0 U26.1 U26.2 U26.3 U26.4 U26.5 U26.7 U26.8 U26.18 U26.26 U26.27 U26.28 U26.29 U26.35 U26.36 U26.37 U26.44 U26.45 U26.46 U26.47 U26.53 U26.54 U26.55 U26.58 U26.59 U26.60 U26.63 U26.68 U26.69 U26.70 U26.73 U26.78 U26.79 U26.86 U26.91 U26.93 U26.96 U26.97 U26.100 U26.102 U26.115 U26.124 U26.125 U26.126 U26.127 U26.128 U26.129 U26.132 U26.135 U26.136 U26.137 U26.139 U26.141 U26.142

## Silkscreen, mask and mechanical layers (free items; w line width, h text height)
Top Overlay:
  drawing of 470 lines, arcs and shapes, not listed
  text "CP Datalogger / V0" at 25.654,3.048 h2
Mechanical 1:
  lines w0.2: 15.384,181.77 ccw(c15.384,188.12) 21.734,188.12 ; 15.446,181.775 4.335,181.835 ccw(c4.335,180.235) 2.735,180.235 2.735,12.625 ccw(c4.335,12.625) 4.335,11.025 15.565,11.024 cw(c15.565,4.854) 21.735,4.854 21.735,1.6 ccw(c23.335,1.6) 23.335,0 95.016,0 ccw(c95.016,1.6) 96.616,1.6 96.615,4.854 cw(c102.785,4.854) 102.785,11.024 114.015,11.025 ccw(c114.015,12.625) 115.615,12.625 ; 21.735,188.138 21.735,191.26 cw(c23.335,191.26) 23.335,192.86 95.016,192.86 cw(c95.016,191.26) 96.616,191.26 96.615,188.006 ccw(c102.785,188.006) 102.785,181.836 114.015,181.835 cw(c114.015,180.235) 115.615,180.235 115.615,12.65

## Dimensions
23.335,192.86 to 95.016,0 on Mechanical 16
102.785,11.024 to 95.016,0 on Mechanical 16
15.384,188.12 to 15.115,188 on Mechanical 16
4.335,12.625 to -4.55,3.74 on Mechanical 16
21.735,1.6 to 2.735,12.625 on Mechanical 16
115.615,12.65 to 2.735,12.625 on Mechanical 16